# Allegro board 8880F5-0820_5.brd (continued)
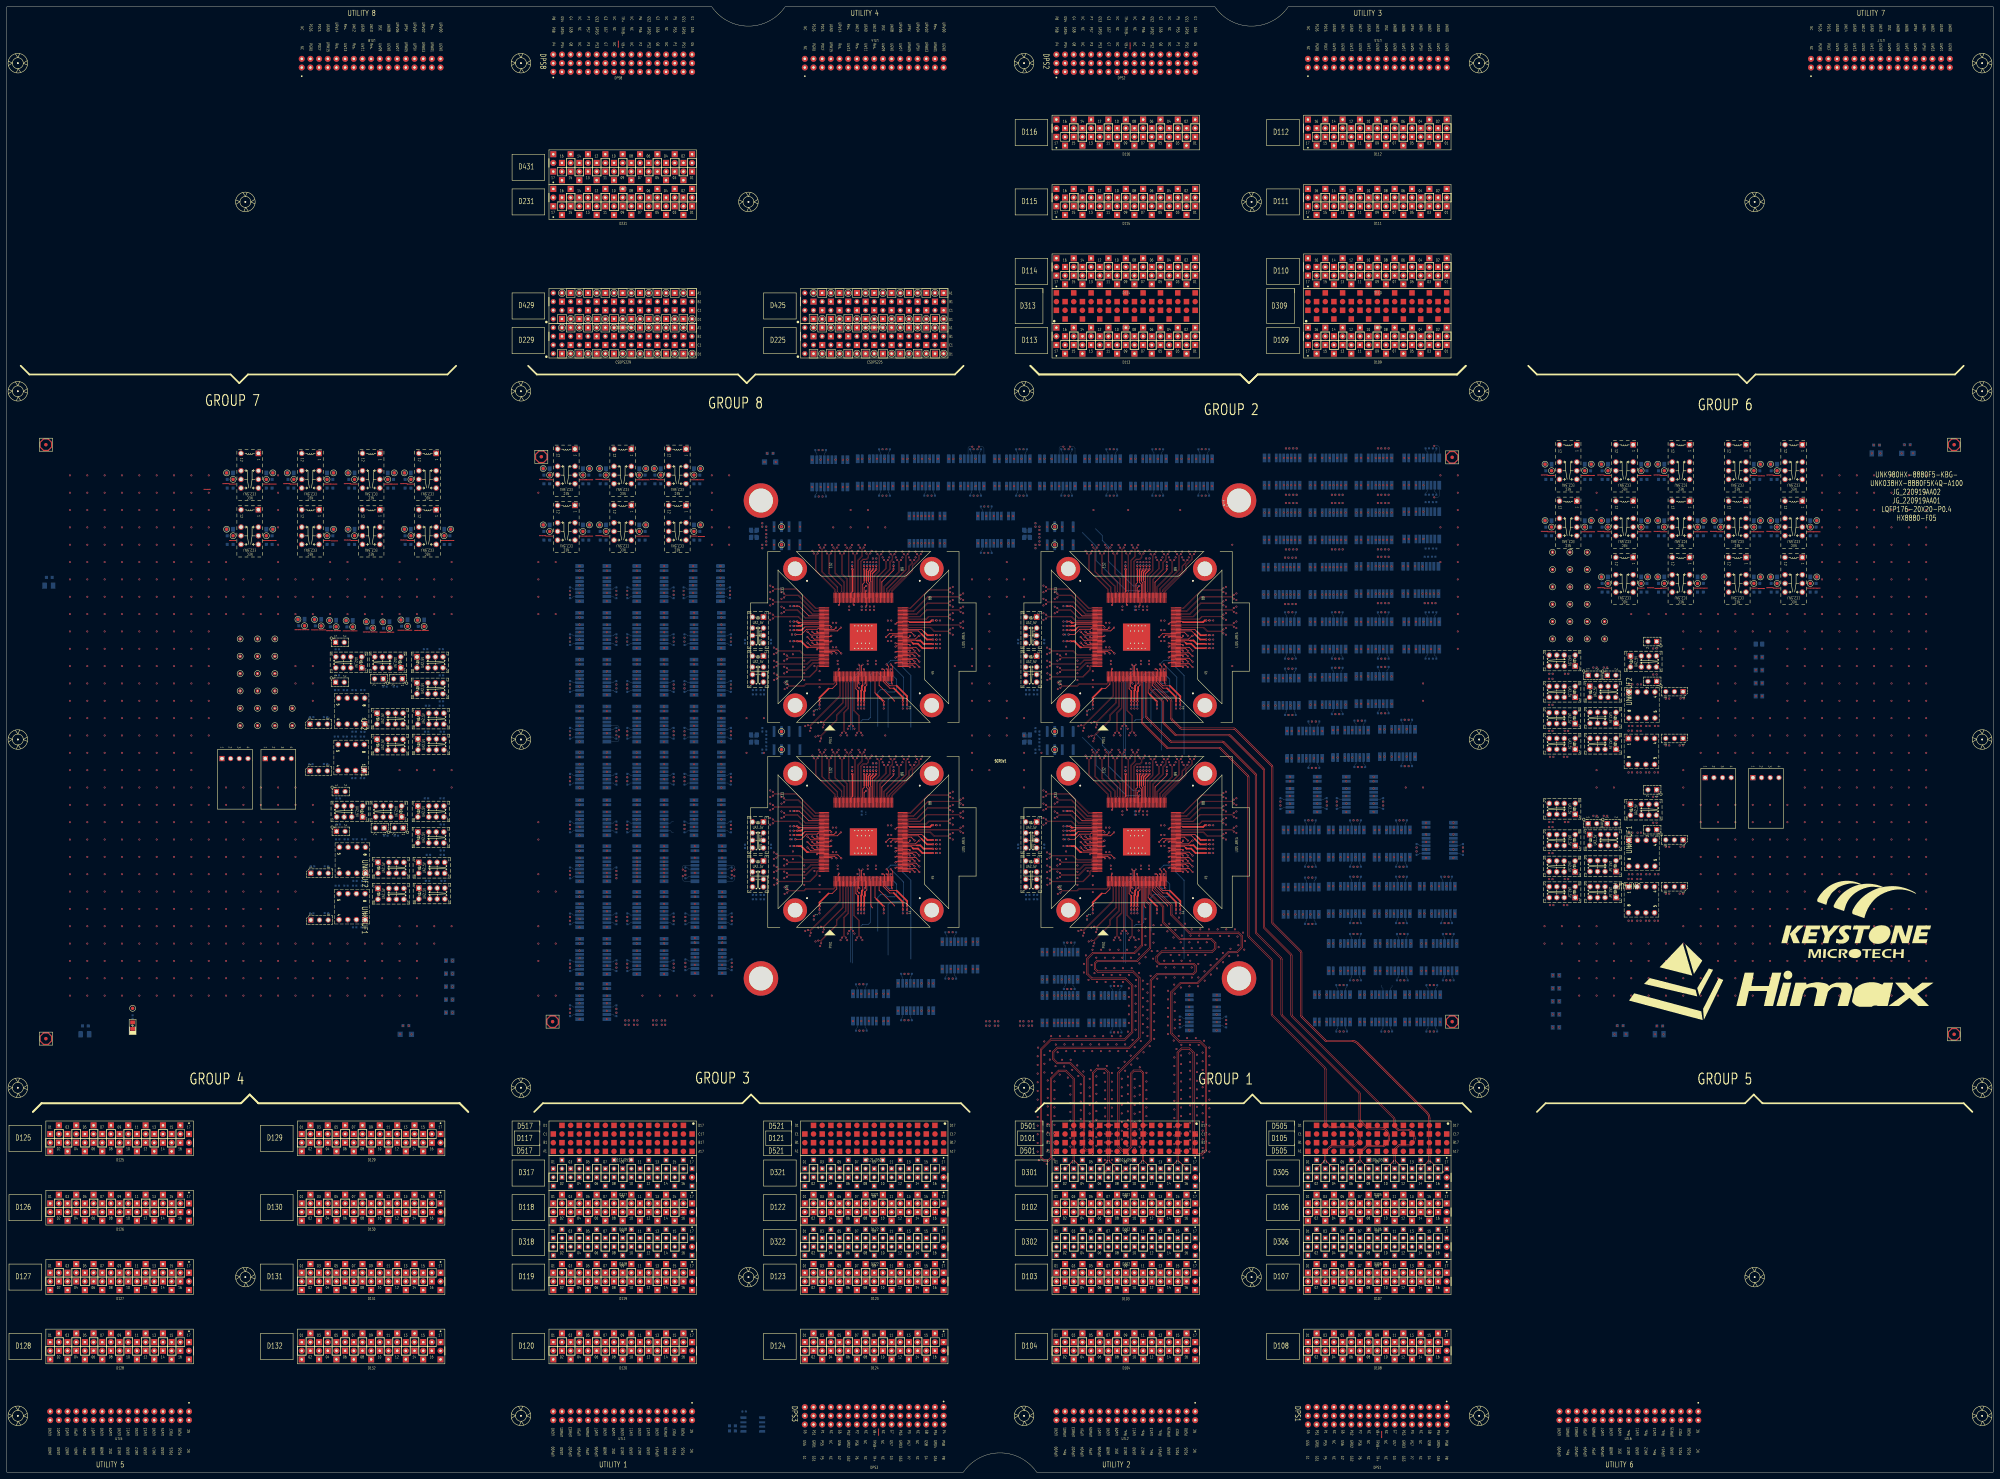
[diagram p0: board, top side]
## Routing (per net, layer and track width the routed paths; a pad name or vN(x,y) marks a point on that pad's centre or on a via; arc(x,y) is an arc through that point) (continued)
D10409: length 413.5
  TOP w0.086: SITE4.172 317.68,177.63 317.6,177.71 315.46,177.71 314.38,176.63 305.85,176.63 v1(305.39,176.18)
  L03_SIGNAL w0.071: v1(382.29,174.18) 381.82,173.71 381.82,172.79 381.31,172.28 378.13,172.28 377.03,173.38 356.25,173.38 355.47,174.17 323.36,174.17 320.87,176.65 305.87,176.65 v1(305.39,176.18)
  L05_SIGNAL w0.071: v1(382.29,174.18) 381.82,173.71 381.82,172.37 378.79,169.34 378.79,132.16 359.98,113.36 359.98,16.23 352.84,9.08 284.12,9.08 280.97,12.23 280.97,20.3 283.52,22.85 324.32,22.85 329.61,28.14 329.61,33.61 D104.09
D10410: length 457
  TOP w0.086: SITE4.12 326.63,171.48 326.55,171.4 326.55,163.72 325.23,162.4 325.23,157.05 v1(325.68,156.6)
  L03_SIGNAL w0.071: v1(343.47,131.3) 343.94,131.77 344.83,131.77 347.55,129.06 347.55,124.53 351.45,120.62 367.29,120.62 368.44,119.47 368.44,118.16 367.68,117.4 323.11,117.4 322.1,116.38 322.1,115.2 323.46,113.84 416.29,113.84 417.44,112.69 417.44,110.93 416.36,109.85 322.29,109.85 317.73,114.41 317.73,147.84 325.21,155.32 325.21,156.12 v1(325.68,156.6)
  L05_SIGNAL w0.071: v1(343.47,131.3) 343.94,131.77 345.27,131.77 350.14,126.9 350.14,52.68 343.17,45.7 334.43,45.7 333.66,44.94 333.66,40.79 332.45,39.57 331.67,39.57 D104.10
D10411: length 413.5
  TOP w0.086: v1(305.39,177.32) 305.85,176.87 314.29,176.87 315.37,177.95 317.6,177.95 317.68,178.03 SITE4.171
  L03_SIGNAL w0.071: v1(381.15,174.18) 381.62,173.71 381.62,172.87 381.23,172.48 378.22,172.48 377.11,173.58 356.34,173.58 355.55,174.37 323.44,174.37 320.96,176.85 305.87,176.85 v1(305.39,177.32)
  L05_SIGNAL w0.071: D104.11 331.27,34.09 330.31,34.09 329.81,33.59 329.81,28.05 324.41,22.65 283.6,22.65 281.17,20.22 281.17,12.31 284.2,9.28 352.75,9.28 359.79,16.31 359.79,113.44 378.59,132.24 378.59,169.42 381.62,172.46 381.62,173.71 v1(381.15,174.18)
D10412: length 457
  TOP w0.086: v1(324.54,156.6) 324.99,157.05 324.99,162.5 326.31,163.82 326.31,171.4 326.23,171.48 SITE4.11
  L03_SIGNAL w0.071: v1(324.54,156.6) 325.01,156.12 325.01,155.41 317.53,147.92 317.53,114.33 322.21,109.65 416.45,109.65 417.64,110.84 417.64,112.77 416.38,114.04 323.54,114.04 322.3,115.28 322.3,116.3 323.2,117.2 367.76,117.2 368.64,118.08 368.64,119.55 367.37,120.82 351.54,120.82 347.74,124.61 347.74,129.14 344.91,131.97 343.94,131.97 v1(343.47,132.44)
  L05_SIGNAL w0.071: D104.12 333.86,39.52 333.86,39.62 333.86,44.86 334.51,45.5 343.25,45.5 350.34,52.6 350.34,126.98 345.35,131.97 343.94,131.97 v1(343.47,132.44)
D10413: length 457
  TOP w0.086: v1(319.21,158.99) 319.21,159.63 324.95,165.37 324.95,171.4 325.03,171.48 SITE4.8
  L03_SIGNAL w0.071: v1(319.21,158.99) 319.21,159.66 320.01,160.46 320.01,165.28 315.47,169.81 309.28,169.81 304.98,165.51 304.98,161.97 302.17,159.17 285.39,159.17 279.63,164.93 279.63,177.92 278.16,179.39 278.16,206.01 280.96,208.82 298.5,208.82 300.01,210.32 300.01,212.13 298.61,213.52 286.19,213.52 285.42,214.29 285.42,216.28 286.35,217.21 298.7,217.21 304.17,211.73 304.17,204.22 309.02,199.37 315.34,199.37 318.54,202.56 341.26,202.56 345.22,198.6 351.54,198.6 353.76,200.81 360.85,200.81 365.88,195.78 372.46,195.78 v1(372.94,195.31)
  L05_SIGNAL w0.071: D104.13 340.18,33.2 340.18,30.69 342.09,28.79 346.95,28.79 355.8,37.64 355.8,113.85 370.92,128.97 370.92,195.29 371.41,195.78 372.46,195.78 v1(372.94,195.31)
D10414: length 457
  TOP w0.086: SITE4.10 325.83,171.48 325.75,171.4 325.75,164.32 323.1,161.66 323.1,160.24 318.42,155.56 v1(318.42,154.92)
  L03_SIGNAL w0.071: v1(318.42,154.92) 317.75,154.92 315.28,152.45 315.28,105.27 322.16,98.38 365.74,98.38 366.68,99.32 366.68,100.64 365.85,101.47 324.55,101.47 322.8,103.23 322.8,105.76 324.55,107.51 418.1,107.51 421.75,111.17 421.75,113.41 417.75,117.42 373.02,117.42 358.67,131.77 357.53,131.77 v1(357.06,131.3)
  L05_SIGNAL w0.071: D104.14 341.92,39.66 343.07,39.66 343.54,40.13 343.54,41.33 352.39,50.18 352.39,119.85 360,127.46 360,130.7 358.93,131.77 357.53,131.77 v1(357.06,131.3)
D10415: length 457
  TOP w0.086: v1(318.4,159.8) 319.04,159.8 324.71,165.47 324.71,171.4 324.63,171.48 SITE4.7
  L03_SIGNAL w0.071: v1(318.4,159.8) 319.07,159.8 319.81,160.54 319.81,165.19 315.39,169.62 309.36,169.62 305.18,165.43 305.18,161.89 302.26,158.97 285.31,158.97 279.43,164.84 279.43,177.84 277.96,179.31 277.96,206.09 280.88,209.01 298.42,209.01 299.81,210.4 299.81,212.04 298.53,213.32 286.11,213.32 285.22,214.21 285.22,216.36 286.26,217.41 298.78,217.41 304.37,211.81 304.37,204.3 309.11,199.57 315.26,199.57 318.45,202.76 341.34,202.76 345.31,198.8 351.46,198.8 353.67,201.01 360.93,201.01 365.96,195.98 372.46,195.98 v1(372.94,196.45)
  L05_SIGNAL w0.071: D104.15 341.81,34.47 341.33,34.47 340.38,33.52 340.38,30.78 342.17,28.99 346.87,28.99 355.6,37.72 355.6,113.93 370.72,129.05 370.72,195.37 371.32,195.98 372.46,195.98 v1(372.94,196.45)
D10416: length 457
  TOP w0.086: v1(317.61,155.73) 318.25,155.73 322.86,160.34 322.86,161.76 325.51,164.41 325.51,171.4 325.43,171.48 SITE4.9
  L03_SIGNAL w0.071: v1(317.61,155.73) 317.61,155.06 315.08,152.53 315.08,105.19 322.08,98.19 365.83,98.19 366.88,99.24 366.88,100.72 365.93,101.67 324.64,101.67 322.99,103.31 322.99,105.68 324.63,107.31 418.18,107.31 421.95,111.08 421.95,113.5 417.83,117.61 373.1,117.61 358.75,131.97 357.53,131.97 v1(357.06,132.44)
  L05_SIGNAL w0.071: v1(357.06,132.44) 357.53,131.97 359.01,131.97 360.2,130.78 360.2,127.37 352.59,119.77 352.59,50.1 343.74,41.25 343.74,39.9 343.74,39.8 D104.16
D10801: length 457
  TOP w0.086: SITE4.5 323.83,171.48 323.91,171.4 323.91,167.47 315.24,158.8 v1(314.6,158.8)
  L03_SIGNAL w0.071: v1(314.6,158.8) 315.27,158.8 315.63,159.16 315.63,159.74 315.21,160.16 313.47,160.16 309.83,156.51 283.85,156.51 275.45,164.9 275.45,207.53 280.02,212.1 282.14,212.1 283.58,213.54 283.58,215.95 282.87,216.66 268.91,216.66 268.22,217.35 268.22,218.33 268.98,219.09 299.02,219.09 306.01,212.1 310.22,212.1 313.94,208.38 346.21,208.38 347.65,209.82 362.15,209.82 374.51,197.46 383.29,197.46 384.77,195.98 386.05,195.98 v1(386.52,196.45)
  L05_SIGNAL w0.071: v1(386.52,196.45) 387,195.98 387.43,195.98 388.06,195.35 388.06,190.1 385.9,187.94 385.9,112.07 373.28,99.45 373.28,32.53 376.14,29.67 382.76,29.67 383.66,30.57 383.66,33.26 382.97,33.94 382.62,33.94 D108.01
D10802: length 457
  TOP w0.086: SITE4.16 328.23,171.48 328.15,171.4 328.15,163.18 329.68,161.65 329.68,157.05 v1(330.13,156.61)
  L03_SIGNAL w0.071: v1(330.13,156.61) 329.66,156.13 329.66,147.52 339.51,137.67 449.41,137.67 457.83,146.08 457.83,196.05 456.57,197.3 392.75,197.3 391.23,195.78 389.92,195.78 v1(389.45,195.31)
  L05_SIGNAL w0.071: D108.02 384.8,39.36 386.23,39.36 386.56,39.69 386.56,42.8 384.57,44.78 379.53,44.78 375.9,48.41 375.9,98.27 387.63,110 387.63,182.64 391.08,186.1 391.08,195.17 390.47,195.78 389.92,195.78 v1(389.45,195.31)
D10803: length 457
  TOP w0.086: v1(315.41,157.99) 315.41,158.63 324.15,167.37 324.15,171.4 324.23,171.48 SITE4.6
  L03_SIGNAL w0.071: v1(315.41,157.99) 315.41,158.66 315.82,159.08 315.82,159.83 315.3,160.35 313.39,160.35 309.74,156.71 283.93,156.71 275.65,164.99 275.65,207.45 280.1,211.9 282.22,211.9 283.78,213.45 283.78,216.03 282.95,216.86 268.99,216.86 268.42,217.44 268.42,218.25 269.06,218.89 298.93,218.89 305.92,211.9 310.14,211.9 313.86,208.18 346.29,208.18 347.73,209.62 362.07,209.62 374.42,197.26 383.21,197.26 384.69,195.78 386.05,195.78 v1(386.52,195.31)
  L05_SIGNAL w0.071: D108.03 383.86,33.34 383.86,30.49 382.84,29.47 376.06,29.47 373.08,32.45 373.08,99.53 385.7,112.15 385.7,188.02 387.86,190.18 387.86,195.26 387.34,195.78 387,195.78 v1(386.52,195.31)
D10804: length 457
  TOP w0.086: SITE4.15 327.83,171.48 327.91,171.4 327.91,163.08 329.45,161.55 329.45,157.06 v1(328.99,156.61)
  L03_SIGNAL w0.071: v1(328.99,156.61) 329.46,156.13 329.46,147.44 339.43,137.47 449.49,137.47 458.03,146 458.03,196.13 456.65,197.5 392.67,197.5 391.14,195.98 389.92,195.98 v1(389.45,196.45)
  L05_SIGNAL w0.071: D108.04 386.76,39.96 386.76,42.88 384.65,44.98 379.61,44.98 376.1,48.49 376.1,98.19 387.83,109.92 387.83,182.56 391.28,186.01 391.28,195.25 390.55,195.98 389.92,195.98 v1(389.45,196.45)
D10805: length 413.5
  TOP w0.086: SITE4.175 317.68,176.43 317.6,176.35 317.38,176.35 317.01,175.98 317.01,175.08 315.09,173.16 305.91,173.16 v1(305.46,173.61)
  L03_SIGNAL w0.071: v1(381.15,160.59) 381.62,160.12 381.62,159.16 381.16,158.7 379.86,158.7 378.93,159.63 378.93,164.47 374.8,168.6 355.85,168.6 352.2,172.25 328.12,172.25 326.97,171.1 318.09,171.1 316.06,173.14 305.93,173.14 v1(305.46,173.61)
  L05_SIGNAL w0.071: D108.05 392.36,34.36 392.62,34.36 393.84,33.13 393.84,26.23 397.32,22.76 397.32,12.65 398.59,11.37 439.55,11.37 440.92,10.01 440.92,6.25 439.34,4.67 373.83,4.67 370.11,8.39 370.11,99.67 383.73,113.29 383.73,161.54 383.15,162.12 382.21,162.12 381.62,161.53 381.62,161.06 v1(381.15,160.59)
D10806: length 413.5
  TOP w0.086: v1(308.38,178.12) 308.77,178.5 317.6,178.5 317.68,178.43 SITE4.170
  L03_SIGNAL w0.071: v1(308.38,178.12) 308.85,178.59 338.59,178.59 339.33,177.84 343.79,177.84 344.11,178.17 387.99,178.17 390.99,175.17 394.42,175.17 395.03,175.78 395.03,176.88 v1(395.5,177.36)
  L05_SIGNAL w0.071: v1(395.5,177.36) 395.03,177.83 395.03,178.83 394.19,179.67 393.08,179.67 389.46,176.05 389.46,102.72 390.38,101.8 391.89,101.8 392.66,102.57 392.66,145.21 391.96,145.91 391.96,166.44 392.82,167.3 395.46,167.3 396.28,166.48 396.28,141.99 395.33,141.04 395.33,97.11 392.35,94.13 383.33,94.13 378.63,89.43 378.63,51.46 380.79,49.3 393.37,49.3 395.77,46.89 395.77,40.17 D108.06
D10807: length 413.5
  TOP w0.086: v1(305.46,172.46) 305.91,172.92 315.19,172.92 317.25,174.98 317.25,175.88 317.48,176.11 317.6,176.11 317.68,176.03 SITE4.176
  L03_SIGNAL w0.071: v1(305.46,172.46) 305.93,172.94 315.98,172.94 318.01,170.9 327.06,170.9 328.2,172.05 352.12,172.05 355.76,168.4 374.72,168.4 378.73,164.39 378.73,159.55 379.78,158.5 381.24,158.5 381.82,159.07 381.82,160.12 v1(382.29,160.59)
  L05_SIGNAL w0.071: D108.07 394.04,33.36 394.04,26.32 397.52,22.84 397.52,12.73 398.68,11.57 439.64,11.57 441.12,10.09 441.12,6.17 439.42,4.48 373.74,4.48 369.91,8.31 369.91,99.75 383.53,113.37 383.53,161.46 383.07,161.92 382.29,161.92 381.82,161.45 381.82,161.06 v1(382.29,160.59)
D10808: length 413.5
  TOP w0.086: SITE4.169 317.68,178.83 317.59,178.74 308.9,178.74 v1(308.38,179.26)
  L03_SIGNAL w0.071: v1(394.35,177.36) 394.83,176.88 394.83,175.86 394.34,175.37 391.07,175.37 388.07,178.37 344.03,178.37 343.71,178.04 339.41,178.04 338.67,178.79 308.85,178.79 v1(308.38,179.26)
  L05_SIGNAL w0.071: v1(394.35,177.36) 394.83,177.83 394.83,178.74 394.1,179.47 393.16,179.47 389.66,175.97 389.66,102.8 390.46,102 391.81,102 392.47,102.66 392.47,145.12 391.76,145.83 391.76,166.52 392.74,167.5 395.54,167.5 396.48,166.56 396.48,141.91 395.53,140.96 395.53,97.03 392.43,93.93 383.41,93.93 378.82,89.35 378.82,51.54 380.87,49.5 393.45,49.5 395.97,46.97 395.97,39.85 396.31,39.52 397.36,39.52 D108.08
D10809: length 413.5
  TOP w0.086: SITE4.2 322.63,171.48 322.55,171.4 322.55,171.18 322.13,170.76 314.03,170.76 313.52,170.25 308.97,170.25 v1(308.51,169.79)
  L03_SIGNAL w0.071: v1(308.51,169.79) 308.98,170.26 315.7,170.26 317.31,168.66 338.84,168.66 340.58,170.4 352.14,170.4 355.62,166.92 373.04,166.92 376.17,163.79 376.17,160.45 380.09,156.53 409.45,156.53 411.61,158.69 411.61,186.22 408.49,189.33 408.49,190.47 v1(408.96,190.94)
  L05_SIGNAL w0.071: D108.09 403.05,33.83 403.05,33.76 403.05,27.38 406.76,23.67 442.9,23.67 449.17,29.94 449.17,170.3 431.9,187.58 410.3,187.58 408.49,189.39 408.49,190.47 v1(408.96,190.94)
D10810: length 413.5
  TOP w0.086: v1(305.36,180.02) 305.84,180.5 312.15,180.5 313.34,179.31 317.6,179.31 317.68,179.23 SITE4.168
  L03_SIGNAL w0.071: v1(395.5,190.94) 395.03,190.47 395.03,189.79 394.23,188.99 390.24,188.99 385.24,193.99 364.39,193.99 363.77,194.6 359.19,194.6 357.42,196.38 343.97,196.38 339.42,200.92 320.35,200.92 317.22,197.8 309.01,197.8 299.81,207 282.77,207 281.08,205.31 281.08,168.3 285.08,164.3 300.14,164.3 303.06,167.22 303.06,182.81 303.84,183.59 306.66,183.59 307.22,183.03 307.22,181.21 306.51,180.49 305.83,180.49 v1(305.36,180.02)
  L05_SIGNAL w0.071: v1(395.5,190.94) 395.02,191.42 395.03,191.42 395.03,192.06 395.91,192.94 398.26,192.94 401.14,190.06 401.14,158.34 403.15,156.33 403.15,145.75 401.14,143.74 401.14,113.93 423.52,91.55 423.52,52.98 421.15,50.62 411.07,50.62 406.52,46.07 406.52,40.52 406.21,40.2 405.96,40.2 D108.10
D10811: length 413.5
  TOP w0.086: v1(308.51,170.93) 308.95,170.49 313.42,170.49 313.93,171 322.03,171 322.31,171.28 322.31,171.4 322.23,171.48 SITE4.1
  L03_SIGNAL w0.071: v1(407.82,190.94) 408.29,190.47 408.29,189.25 411.41,186.13 411.41,158.77 409.37,156.73 380.17,156.73 376.37,160.53 376.37,163.87 373.12,167.12 355.7,167.12 352.23,170.59 340.5,170.59 338.76,168.85 317.39,168.85 315.78,170.46 308.98,170.46 v1(308.51,170.93)
  L05_SIGNAL w0.071: D108.11 405.06,34.22 403.69,34.22 403.25,33.78 403.25,27.46 406.84,23.86 442.82,23.86 448.98,30.02 448.98,170.22 431.81,187.38 410.21,187.38 408.29,189.31 408.29,190.47 v1(407.82,190.94)
D10812: length 413.5
  TOP w0.086: v1(305.36,181.16) 305.78,180.74 312.25,180.74 313.44,179.55 317.6,179.55 317.68,179.63 SITE4.167
  L03_SIGNAL w0.071: v1(305.36,181.16) 305.83,180.69 306.43,180.69 307.02,181.29 307.02,182.95 306.58,183.4 303.92,183.4 303.26,182.73 303.26,167.14 300.22,164.1 285,164.1 280.88,168.22 280.88,205.39 282.69,207.2 299.9,207.2 309.1,198 317.14,198 320.26,201.12 339.51,201.12 344.05,196.58 357.5,196.58 359.27,194.8 363.86,194.8 364.47,194.19 385.33,194.19 390.32,189.19 394.15,189.19 394.83,189.87 394.83,190.47 v1(394.35,190.94)
  L05_SIGNAL w0.071: v1(394.35,190.94) 394.83,191.42 394.83,192.14 395.82,193.14 398.34,193.14 401.34,190.14 401.34,158.42 403.35,156.42 403.35,145.67 401.34,143.66 401.34,114.01 423.72,91.63 423.72,52.9 421.24,50.42 411.15,50.42 406.72,45.99 406.72,40.32 D108.12
D10813: length 413.5
  TOP w0.086: v1(308.4,174.39) 308.85,174.85 314.04,174.85 316.1,176.91 317.6,176.91 317.68,176.83 SITE4.174
  L03_SIGNAL w0.071: v1(408.96,177.36) 408.49,176.88 408.49,175.62 407.98,175.12 406.69,175.12 401.91,170.33 355.38,170.33 352.69,173.03 317.3,173.03 315.46,174.87 308.87,174.87 v1(308.4,174.39)
  L05_SIGNAL w0.071: v1(408.96,177.36) 408.49,176.88 408.49,176.36 412.08,172.77 442.15,172.77 446.27,168.65 446.27,28.85 444.96,27.54 443.46,27.54 442.14,28.87 442.14,63.46 440.82,64.78 438.89,64.78 437.47,63.36 437.47,29.47 433.91,25.91 417.25,25.91 413.47,29.69 413.47,33.57 D108.13
D10814: length 457
  TOP w0.086: v1(327.8,158.55) 327.35,159 327.35,171.4 327.43,171.48 SITE4.14
  L03_SIGNAL w0.071: v1(403.03,195.31) 402.56,195.78 402.17,195.78 401.7,195.3 401.7,194.45 402.15,194 447.18,194 449.71,191.47 449.71,141.66 448.82,140.77 445.73,140.77 444.11,142.38 444.11,161.97 442.08,164 439.98,164 438,162.02 438,156.54 434.59,153.12 337.3,153.12 330.83,159.6 327.65,159.6 327.33,159.27 327.33,159.02 v1(327.8,158.55)
  L05_SIGNAL w0.071: v1(403.03,195.31) 403.51,195.78 404.72,195.78 406.77,193.72 406.77,168.76 411.72,163.82 411.72,116.3 434.25,93.77 434.25,55.01 426.58,47.35 418.69,47.35 416.73,45.38 416.73,40.05 416.32,39.64 415.56,39.64 D108.14
D10815: length 413.5
  TOP w0.086: v1(308.4,175.54) 308.85,175.08 313.94,175.08 316,177.15 317.6,177.15 317.68,177.23 SITE4.173
  L03_SIGNAL w0.071: v1(308.4,175.54) 308.87,175.06 315.55,175.06 317.39,173.22 352.77,173.22 355.46,170.53 401.83,170.53 406.61,175.31 407.9,175.31 408.29,175.71 408.29,176.88 v1(407.82,177.36)
  L05_SIGNAL w0.071: v1(407.82,177.36) 408.29,176.88 408.29,176.28 411.99,172.57 442.06,172.57 446.07,168.56 446.07,28.93 444.88,27.74 443.55,27.74 442.33,28.95 442.33,63.54 440.9,64.97 438.81,64.97 437.28,63.44 437.28,29.56 433.83,26.11 417.33,26.11 413.67,29.77 413.67,33.68 414.05,34.06 415.06,34.06 D108.15
D10816: length 457
  TOP w0.086: v1(326.65,158.55) 327.11,159 327.11,171.4 327.03,171.48 SITE4.13
  L03_SIGNAL w0.071: v1(326.65,158.55) 327.13,159.02 327.13,159.36 327.57,159.8 330.91,159.8 337.39,153.32 434.51,153.32 437.8,156.62 437.8,162.1 439.9,164.2 442.16,164.2 444.31,162.05 444.31,142.47 445.81,140.97 448.74,140.97 449.51,141.75 449.51,191.39 447.1,193.8 402.07,193.8 401.5,194.37 401.5,195.39 402.09,195.98 402.56,195.98 v1(403.03,196.45)
  L05_SIGNAL w0.071: D108.16 416.92,40.28 416.92,45.3 418.77,47.15 426.66,47.15 434.45,54.93 434.45,93.85 411.91,116.38 411.91,163.9 406.97,168.84 406.97,193.81 404.8,195.98 403.51,195.98 v1(403.03,196.45)
D10901: length 413.5
  TOP w0.086: v1(305.46,232.46) 305.91,232.92 315.19,232.92 317.25,234.98 317.25,235.88 317.48,236.11 317.6,236.11 317.68,236.03 SITE2.176
  L03_SIGNAL w0.071: v1(383.31,206.31) 382.83,205.84 382.83,204.51 382.36,204.04 381.46,204.04 379.66,205.84 379.66,222.03 378.04,223.64 359.7,223.64 355.2,219.15 343.03,219.15 341.38,220.8 341.38,225.23 334.92,231.69 328.47,231.69 327.72,230.94 317.5,230.94 315.51,232.94 305.93,232.94 v1(305.46,232.46)
  L05_SIGNAL w0.071: v1(383.31,206.31) 382.83,205.84 382.83,205.84 382.83,202.34 383.61,201.57 387.34,201.57 396.14,210.37 446.5,210.37 449.68,207.19 468.35,207.19 473.28,212.12 473.28,241.91 481.56,250.2 481.56,313.9 454.87,340.6 421.04,340.6 418.67,338.24 418.67,334.77 419.46,333.98 420.4,333.98 D109.01
D10902: length 413.5
  TOP w0.086: SITE2.168 317.68,239.23 317.6,239.31 313.34,239.31 312.15,240.5 305.84,240.5 v1(305.36,240.02)
  L03_SIGNAL w0.071: v1(305.36,240.02) 305.83,240.49 311.57,240.49 313.16,242.08 320.69,242.08 321.24,242.62 323.37,242.62 324.05,241.94 337.86,241.94 338.76,241.04 342.39,241.04 344.24,242.89 346.09,242.89 354.63,234.35 379.77,234.35 387.8,242.39 396.13,242.39 400.89,237.63 400.89,234.99 401.67,234.21 402.66,234.21 403.15,234.71 403.15,235.43 v1(403.63,235.9)
  L05_SIGNAL w0.071: D109.02 416.85,327.95 416.85,326.44 417.83,325.47 420.5,325.47 433.47,338.45 453.91,338.45 479.45,312.9 479.45,250.54 467.02,238.11 467.02,232.42 465.09,230.49 465.09,226.27 466.18,225.18 468.61,225.18 469.9,223.89 469.9,214.44 468.92,213.46 443.25,213.46 438.55,218.16 428.5,218.16 423.85,213.51 411.12,213.51 408.33,216.3 408.33,235.19 405.96,237.56 403.64,237.56 403.15,237.07 403.15,236.37 v1(403.63,235.9)
D10903: length 413.5
  TOP w0.086: SITE2.175 317.68,236.43 317.6,236.35 317.38,236.35 317.01,235.98 317.01,235.08 315.09,233.16 305.91,233.16 v1(305.46,233.61)
  L03_SIGNAL w0.071: v1(382.16,206.31) 382.63,205.84 382.63,204.59 382.28,204.23 381.54,204.23 379.85,205.92 379.85,222.11 378.13,223.84 359.62,223.84 355.12,219.34 343.12,219.34 341.58,220.88 341.58,225.31 335,231.89 328.39,231.89 327.64,231.14 317.58,231.14 315.59,233.14 305.93,233.14 v1(305.46,233.61)
  L05_SIGNAL w0.071: D109.03 418.47,334.65 418.47,338.32 420.95,340.8 454.95,340.8 481.76,313.98 481.76,250.12 473.48,241.83 473.48,212.04 468.43,206.99 449.59,206.99 446.42,210.17 396.22,210.17 387.42,201.37 383.53,201.37 382.63,202.26 382.63,205.84 v1(382.16,206.31)
D10904: length 413.5
  TOP w0.086: SITE2.167 317.68,239.63 317.6,239.55 313.44,239.55 312.25,240.74 305.78,240.74 v1(305.36,241.16)
  L03_SIGNAL w0.071: v1(305.36,241.16) 305.83,240.69 311.49,240.69 313.07,242.28 320.61,242.28 321.15,242.82 323.45,242.82 324.14,242.14 337.94,242.14 338.85,241.24 342.31,241.24 344.15,243.09 346.17,243.09 354.71,234.55 379.69,234.55 387.72,242.59 396.21,242.59 401.09,237.71 401.09,235.08 401.76,234.41 402.57,234.41 402.95,234.79 402.95,235.43 v1(402.48,235.9)
  L05_SIGNAL w0.071: D109.04 415.27,328.95 415.62,328.95 416.66,327.92 416.66,326.36 417.75,325.27 420.58,325.27 433.56,338.25 453.83,338.25 479.26,312.82 479.26,250.62 466.83,238.19 466.83,232.5 464.89,230.57 464.89,226.19 466.1,224.99 468.52,224.99 469.7,223.8 469.7,214.52 468.84,213.65 443.33,213.65 438.63,218.36 428.42,218.36 423.77,213.71 411.21,213.71 408.53,216.38 408.53,235.27 406.05,237.75 403.55,237.75 402.95,237.15 402.95,236.37 v1(402.48,235.9)
D10905: length 413.5
  TOP w0.086: SITE2.174 317.68,236.83 317.6,236.91 316.1,236.91 314.04,234.85 308.85,234.85 v1(308.4,234.39)
  L03_SIGNAL w0.071: v1(308.4,234.39) 308.87,234.87 316.32,234.87 318.3,232.88 335.35,232.88 338.58,229.65 374.58,229.65 381.07,223.16 381.07,213.9 382.17,212.8 390.37,212.8 393.21,209.95 393.21,206.1 394.66,204.66 395.8,204.66 396.29,205.15 396.29,206.09 v1(396.77,206.57)
  L05_SIGNAL w0.071: v1(396.77,206.57) 396.3,206.09 396.3,205.33 397.13,204.49 469.39,204.49 474.8,209.9 479.72,209.9 484.37,214.55 484.37,314.36 455.7,343.02 412.36,343.02 408.32,338.98 408.32,335.23 409.43,334.12 410.1,334.12 D109.05
D10906: length 413.5
  TOP w0.086: v1(308.38,238.12) 308.77,238.5 317.6,238.5 317.68,238.43 SITE2.170
  L03_SIGNAL w0.071: v1(403.63,222.31) 403.15,221.84 403.15,219.87 402.09,218.8 400.56,218.8 399.62,219.74 399.62,221 397.82,222.8 395.6,222.8 394.48,221.68 394.48,219.01 392.06,216.6 387.69,216.6 385.91,218.38 385.91,226.91 379.51,233.31 342.93,233.31 337.65,238.59 308.85,238.59 v1(308.38,238.12)
  L05_SIGNAL w0.071: D109.06 406.57,327.83 406.57,322.66 419.87,309.37 436.11,309.37 438.86,312.13 438.86,316.78 445.01,322.93 465.34,322.93 472.1,316.17 472.1,310.31 468,306.21 451.47,306.21 448.31,303.05 448.31,225.03 443.81,220.53 414.81,220.53 411.61,223.73 411.61,235 407.12,239.49 401.82,239.49 399.96,237.64 399.96,227.41 403.15,224.22 403.15,222.79 v1(403.63,222.31)
D10907: length 413.5
  TOP w0.086: SITE2.173 317.68,237.23 317.6,237.15 316,237.15 313.94,235.08 308.85,235.08 v1(308.4,235.54)
  L03_SIGNAL w0.071: v1(395.62,206.57) 396.1,206.09 396.1,205.23 395.72,204.86 394.74,204.86 393.41,206.19 393.41,210.04 390.45,213 382.25,213 381.27,213.98 381.27,223.24 374.66,229.85 338.66,229.85 335.43,233.08 318.38,233.08 316.4,235.06 308.87,235.06 v1(308.4,235.54)
  L05_SIGNAL w0.071: v1(395.62,206.57) 396.1,206.09 396.1,205.24 397.05,204.29 469.48,204.29 474.89,209.7 479.8,209.7 484.57,214.47 484.57,314.44 455.79,343.22 412.28,343.22 408.12,339.06 408.12,334.46 D109.07
D10908: length 413.5
  TOP w0.086: SITE2.169 317.68,238.83 317.59,238.74 308.9,238.74 v1(308.38,239.26)
  L03_SIGNAL w0.071: v1(308.38,239.26) 308.85,238.79 337.74,238.79 343.01,233.51 379.59,233.51 386.11,226.99 386.11,218.46 387.78,216.8 391.98,216.8 394.28,219.1 394.28,221.76 395.52,223 397.9,223 399.82,221.08 399.82,219.82 400.64,219 402,219 402.95,219.95 402.95,221.84 v1(402.48,222.31)
  L05_SIGNAL w0.071: D109.08 404.91,329.15 405.27,329.15 406.38,328.05 406.38,322.58 419.78,309.17 436.19,309.17 439.06,312.04 439.06,316.7 445.09,322.73 465.26,322.73 471.9,316.09 471.9,310.39 467.92,306.41 451.39,306.41 448.11,303.13 448.11,225.11 443.73,220.73 414.89,220.73 411.81,223.81 411.81,235.08 407.2,239.69 401.73,239.69 399.76,237.72 399.76,227.32 402.95,224.13 402.95,222.79 v1(402.48,222.31)
D10909: length 457
  TOP w0.086: v1(327.8,218.55) 327.35,218.99 327.35,231.4 327.43,231.48 SITE2.14
  L03_SIGNAL w0.071: v1(390.16,235.65) 389.69,235.18 389.69,233.97 388.21,232.49 388.21,219.12 388.81,218.52 391.12,218.52 392.27,219.66 392.27,221.1 395.58,224.41 404.27,224.41 407.15,221.52 407.15,206.24 408.71,204.68 418.95,204.68 422.83,208.57 422.83,232.78 427.28,237.23 445.89,237.23 448.37,234.75 448.37,206.58 444.39,202.6 401.84,202.6 400.84,201.61 379.9,201.61 376.79,204.72 376.79,214.1 374.83,216.06 337.6,216.06 334.32,219.34 327.42,219.34 327.33,219.25 327.33,219.02 v1(327.8,218.55)
  L05_SIGNAL w0.071: D109.09 399.52,334.54 399.52,338.42 395.85,342.1 375.91,342.1 373.17,339.36 373.17,320.51 384.17,309.51 384.17,237.47 387.54,234.11 389.3,234.11 389.69,234.5 389.69,235.18 v1(390.16,235.65)
D10910: length 413.5
  TOP w0.086: v1(308.51,229.79) 308.97,230.25 313.52,230.25 314.03,230.76 322.13,230.76 322.55,231.18 322.55,231.4 322.63,231.48 SITE2.2
  L03_SIGNAL w0.071: v1(396.77,220.15) 396.3,219.68 396.3,218.37 400.35,214.32 400.35,205.61 397.69,202.95 381.3,202.95 379.03,205.22 379.03,221.22 377.84,222.41 361.54,222.41 356.94,217.81 339.63,217.81 338.56,218.88 338.56,225.36 336.49,227.42 318.7,227.42 315.86,230.26 308.98,230.26 v1(308.51,229.79)
  L05_SIGNAL w0.071: v1(396.77,220.15) 396.3,220.63 396.3,222.88 397.48,224.06 397.48,241.35 399.38,243.25 419.54,243.25 423.54,239.25 423.54,227.59 427.26,223.87 440.32,223.87 444.19,227.73 444.19,282.8 441.52,285.47 437.37,285.47 434.14,282.24 434.14,263.76 432.66,262.28 430.22,262.28 428.31,264.18 428.31,291.6 396.75,323.17 396.75,328.17 D109.10
D10911: length 457
  TOP w0.086: v1(326.65,218.55) 327.11,219 327.11,231.4 327.03,231.48 SITE2.13
  L03_SIGNAL w0.071: v1(389.02,235.65) 389.49,235.18 389.49,234.05 388.01,232.57 388.01,219.03 388.73,218.32 391.2,218.32 392.46,219.58 392.46,221.01 395.66,224.21 404.18,224.21 406.95,221.44 406.95,206.16 408.62,204.49 419.03,204.49 423.03,208.49 423.03,232.7 427.36,237.03 445.81,237.03 448.17,234.67 448.17,206.66 444.31,202.8 401.75,202.8 400.76,201.8 379.99,201.8 376.99,204.8 376.99,214.18 374.91,216.26 337.68,216.26 334.4,219.54 327.33,219.54 327.13,219.33 327.13,219.02 v1(326.65,218.55)
  L05_SIGNAL w0.071: D109.11 397.78,334.28 399.1,334.28 399.32,334.5 399.32,338.34 395.76,341.9 375.99,341.9 373.37,339.27 373.37,320.59 384.37,309.59 384.37,237.56 387.62,234.31 389.22,234.31 389.49,234.59 389.49,235.18 v1(389.02,235.65)